# Altium PCB PCB1_Bak.PcbDoc (part 4 of 5) (continued)
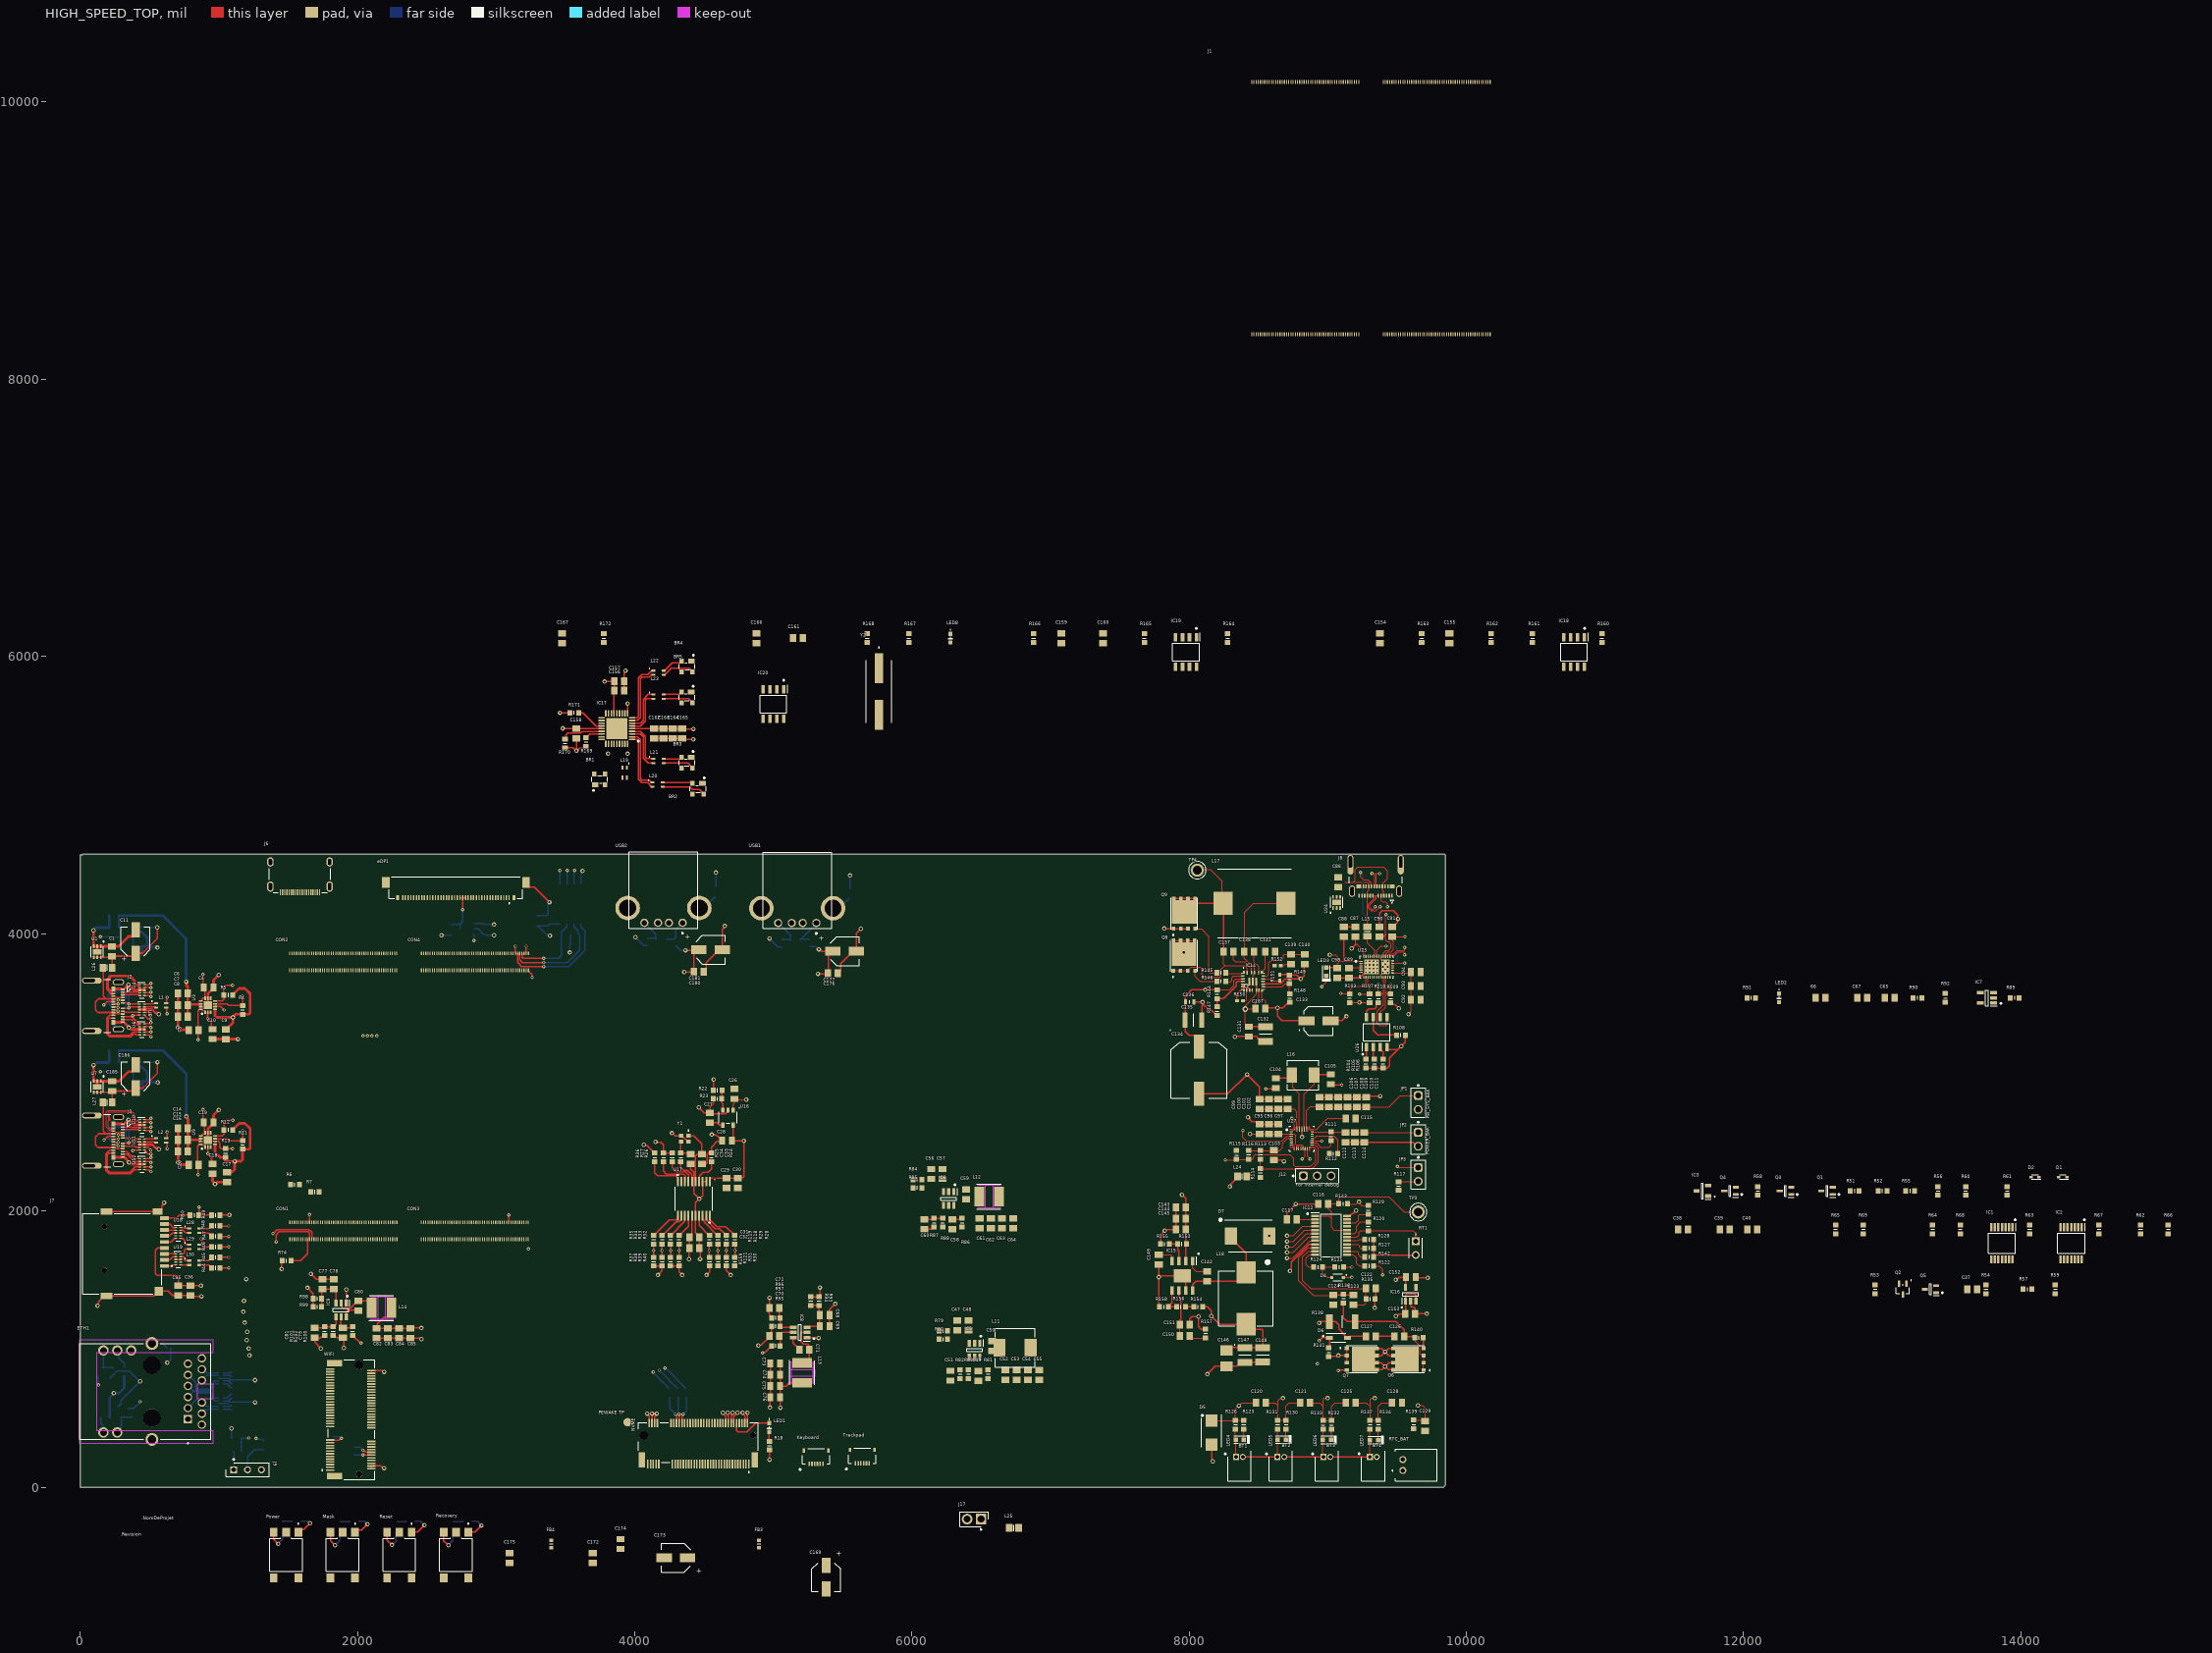
[diagram p0: HIGH_SPEED_TOP view]
## Nets (pads, with @x,y where several pads share a name; then routed paths per layer and width w, separated by ;. In a path a pad name is that pad's centre, name@x,y a point inside that pad or via, vN(x,y) a via of type N, cw(c..) or ccw(c..) an arc to the next point about the centre after c; other vN are vias at no path point) (continued)
  HIGH_SPEED_BOT w10: v2@4178.53,849 R20.2@4310.03,717.5
  other v2: 4177,849
GPIO4_B5/PCIE30X4_WAKEn_M1_L: CON3.67 R21.2 | length 164.1
  HIGH_SPEED_BOT w10: v2@4134,833.53 R21.2@4250.03,717.5
  other v2: 4134,837
GPIO4_B6/PCIE30X4_PERSTn_M1_L: CON3.69 R19.2 | length 203.4
  HIGH_SPEED_BOT w10: v2@4227.21,861.32 R19.2@4371.03,717.5
  other v2: 4217,864
GPIO4_C3: CON1.28 R43.2
GPIO4_C4/MIPI_CAM1_RESET_L: CON1.30 WIFI.56
HDMI0_TX0_N: CON4.47 L9.3
HDMI0_TX0_P: CON4.45 L9.4
HDMI0_TX1_N: CON4.41 L8.3
HDMI0_TX1_P: CON4.39 L8.4
HDMI0_TX2_N: CON4.35 L7.3
HDMI0_TX2_P: CON4.33 L7.4
HDMI0_TX3_N: CON4.53 L10.3
HDMI0_TX3_P: CON4.51 L10.4
HDMI0_TX_ON_H: CON4.69 IC1.1 IC1.4 IC1.10 IC1.13 IC2.1 IC2.4 IC2.10 IC2.13
HDMI0_TX_SBD_N: CON4.59 J6.19 R54.1 U21.5 U21.6
HDMI0_TX_SBD_P: CON4.57 J6.17 U21.4 U21.7
HDMI1_TX0_N: CON4.17 eDP1.29
HDMI1_TX0_P: CON4.15 eDP1.28
HDMI1_TX1_N: CON4.11 eDP1.32
HDMI1_TX1_P: CON4.9 eDP1.31
HDMI1_TX2_N: CON4.5 eDP1.35
HDMI1_TX2_P: CON4.3 eDP1.34
HDMI1_TX3_N: CON4.23 eDP1.38
HDMI1_TX3_P: CON4.21 eDP1.37
HDMI1_TX_SBD_N: CON4.29 eDP1.25
HDMI1_TX_SBD_P: CON4.27 eDP1.26
HDMITX0_CEC_M0: CON4.67 Q3.2 R60.1
HDMITX0_HPDIN_M0: CON3.95 Q4.3 R51.1
HDMITX0_SCL_M0: CON4.63 Q1.2 R55.1
HDMITX0_SDA_M0: CON4.65 R57.1
I2C6_SCL_M0: CON3.96 R4.2 U3.6 | length 274.2
  HIGH_SPEED_TOP w10: U3.6@972.95,3494.15 985.56,3494.15 985.9,3494.49 ; U3.6@985.72,3494.15 1058.85,3494.15 1072.39,3480.61 R4.2@1170.91,3480.61 1170.91,3549.54 v2(1169.9,3550.54)
I2C6_SDA_M0: CON3.98 R5.2 U3.7 | length 226.1
  HIGH_SPEED_TOP w10: U3.7@971.14,3513.83 1022.83,3513.83 1036,3527 1036,3556.5 1035.5,3557 1035.5,3613.5 1049,3627 v2@1099,3627
  other v2: 1098.9,3626.54
I2C7_SCL_M0: CON2.7 R11.2 U9.6 | length 275.8
  HIGH_SPEED_TOP w10: U9.6@972.14,2520.15 1059.85,2520.15 1069,2511 1069,2510.86 1074.86,2505 1168.5,2505 R11.2@1171,2507.5 v2(1171,2577)
I2C7_SDA_M0: CON2.5 R12.2 U9.7 | length 226.1
  HIGH_SPEED_TOP w10: U9.7@972.14,2539.83 1023.84,2539.83 1037,2553 1037,2582.5 R12.2@1036.5,2583 1036.5,2639.5 1050,2653 v2(1100,2653)
I2C_SCL: J12.1 R109.2 U25.17 U26.6 U27.14 | length 2378.4
  HIGH_SPEED_TOP w7.87: v2(8815.45,2372.68) 8836.07,2393.31 U27.14@8836.07,2446.88 ; U26.6@9378.45,3395.46 9378.45,3430.68 9416.65,3468.89 9416.65,3576.31 ; U25.17@9416.65,3685.5 9416.65,3576.31 ; v2(9453.45,3632.68) 9453.45,3564.59 R109.2@9452.66,3563.8 9452.16,3564.3 9428.66,3564.3 9416.65,3576.31
  LOW_SPEED w7.87: v2(8815.45,2372.68) 8818.26,2369.87 8818.26,2348.87 ; J12.1@8823.45,2251.68 8818.26,2256.87 8818.26,2348.87 ; v2(9453.45,3632.68) 9453.45,2652.68 9132.71,2331.95 8835.19,2331.95 8818.26,2348.87
I2C_SDA: J12.2 R110.2 U25.16 U26.5 U27.15 | length 2670.8
  HIGH_SPEED_TOP w7.87: U27.15@8851.82,2446.88 8851.82,2393.32 v2(8872.45,2372.68) ; v2(9363.45,3632.68) 9363.45,3565.01 R110.2@9364.66,3563.8 9365.17,3564.3 9390.66,3564.3 9398.66,3572.3 9400.9,3574.54 ; U25.16@9400.9,3685.5 9400.9,3574.54 ; U26.5@9428.45,3395.46 9428.45,3343.68 9420.45,3335.68 9374.45,3335.68 9356.45,3353.68 9356.45,3440.68 9401,3485.24 9401,3569.96 9400.9,3570.06 9400.9,3574.54
  LOW_SPEED w7.87: J12.2@8923.45,2251.68 8923.45,2238.68 8886.45,2201.68 8767.45,2201.68 8744.45,2224.68 8744.45,2384.68 8768.45,2408.68 8836.45,2408.68 v2(8872.45,2372.68) 8872.45,2815.68 9363.45,3306.68 v2(9363.45,3632.68)
IC5_EN: C49.2 IC5.5 R81.2
IC5_SW: C50.2 IC5.2 L11.2
IC5_VBST: C50.1 IC5.6
IC5_VFB: C51.1 IC5.4 R82.1 R83.2
IC5_VIN: C47.2 C48.2 IC5.3 R79.2 R80.2
IC6_EN: C58.2 IC6.5 R86.2 | length 73.3
  HIGH_SPEED_TOP w10: C58.2@6291.82,1936.97 6353.76,1936.97 R86.2@6361.82,1945.03
IC6_SW: C59.2 IC6.2 L12.2
IC6_VBST: C59.1 IC6.6
IC6_VFB: C60.1 IC6.4 R87.1 R88.2 | length 134.9
  HIGH_SPEED_TOP w10: C60.1@6088.82,1937.97 6152.76,1937.97 R87.1@6159.82,1945.03 R88.2@6220.82,1945.03
IC6_VIN: C56.2 C57.2 IC6.3 R84.2 R85.2
IC7_BP: 66.2 IC7.4
IC7_EN: IC7.3 R90.1 R91.2
IC8+VBST: C71.1 IC8.6 | length 105.7
  HIGH_SPEED_TOP w10: IC8.6@5143.07,1084.8 5143.07,1046.89 5186.85,1003.11 C71.1@5186.85,997.2
IC8_EN: C70.2 IC8.5 R95.2 | length 189.3
  HIGH_SPEED_TOP w10: R95.2@5049.78,1025.2 5049.78,1087.14 C70.2@5041.72,1095.2 5041.72,1101.11 5062.81,1122.2 IC8.5@5143.07,1122.2
IC8_SW: C71.2 IC8.2 L13.2 | length 333.6
  HIGH_SPEED_TOP w10: L13.2@5208.28,902.06 5227.72,902.06 5257.72,932.06 C71.2@5257.72,997.2 5256.85,998.07 5256.85,1028.2 5246.85,1038.2 5216.85,1038.2 5196.85,1058.2 5196.85,1112.2 5206.85,1122.2 IC8.2@5241.5,1122.2
IC8_VFB: C72.1 IC8.4 R96.1 R97.2 | length 231
  HIGH_SPEED_TOP w10: C72.1@5042.72,1298.2 5042.72,1234.27 R96.1@5049.78,1227.2 R97.2@5049.78,1166.2 5056.38,1159.61 IC8.4@5143.07,1159.61
IC8_VIN: C68.2 C69.2 IC8.3 R93.2 R94.2 | length 304.8
  HIGH_SPEED_TOP w10: IC8.3@5241.5,1159.61 5254.29,1159.61 5261.78,1167.1 C69.2@5334.92,1167.1 C68.2@5334.92,1247.1 ; R94.2@5269.85,1316.71 R93.2@5329.85,1316.71 5329.85,1252.17 C68.2@5332.47,1249.55
IC9_EN: C79.2 IC9.5 R100.2 | length 159.1
  HIGH_SPEED_TOP w10: IC9.5@1881.63,1235.12 1881.63,1167.76 C79.2@1894.63,1154.76 1956.57,1154.76 R100.2@1964.63,1162.83
IC9_SW: C80.2 IC9.2 L14.2 | length 302.2
  HIGH_SPEED_TOP w10: IC9.2@1881.63,1333.54 1888.44,1326.73 1888.44,1303.76 1894.3,1297.9 1949.63,1297.9 1966.36,1314.63 1966.36,1315.4 2000.73,1349.76 C80.2@2006.63,1349.76 2071.78,1349.76 2101.78,1319.76 L14.2@2101.78,1300.33
IC9_VBST: C80.1 C81.1 IC9.4 IC9.6 R101.1 R102.2 | length 347.1
  HIGH_SPEED_TOP w10: C81.1@1691.63,1155.76 1755.57,1155.76 R101.1@1762.63,1162.83 R102.2@1823.63,1162.83 1825.6,1162.83 1844.23,1181.46 IC9.4@1844.23,1235.12 ; IC9.6@1919.03,1235.12 1919.03,1271.3 1930.63,1282.9 2002.63,1282.9 C80.1@2006.63,1278.9
IC9_VIN: C77.2 C78.2 IC9.3 R98.2 R99.2 | length 317.1
  HIGH_SPEED_TOP w10: R99.2@1742.13,1305.9 R98.2@1742.13,1365.9 1742.13,1429.1 C77.2@1746.42,1433.39 ; C77.2@1747.63,1434.46 C78.2@1827.63,1434.46 1844.23,1417.87 IC9.3@1844.23,1333.54
IC12_AVVD: C117.1 IC12.2 | length 132
  HIGH_SPEED_TOP w7.87: C117.1@8775.88,1937.68 8776.04,1937.84 IC12.2@8907.78,1937.84
IC12_VDD: C116.1 IC12.1 IC12.20 R143.1 TP3.TP | length 1164.1
  HIGH_SPEED_TOP w7.87: IC12.1@8907.78,1963.43 9005.7,1963.43 9025.45,1943.68 ; R143.1@9078.7,2048.43 9077.45,2049.68 C116.1@9001.88,2049.68 9003.19,2048.38 9003.19,2013.94 9025.45,1991.68 9025.45,1943.68 ; R143.1@9079.95,2049.68 9079.95,2086.19 9093.45,2099.68 9440.45,2099.68 9549.45,1990.68 TP3.TP@9652.45,1990.68 ; IC12.20@9139.12,1861.07 9044.06,1861.07 9025.45,1879.68 9025.45,1943.68
IC15_BOOT: C142.1 IC15.1 | length 164.4
  HIGH_SPEED_TOP w7.87: IC15.1@8025.45,1638.46 8025.45,1588.68 8051.02,1563.12 C142.1@8129.45,1563.12
IC15_COMP: C150.2 C151.2 IC15.6 | length 338.3
  HIGH_SPEED_TOP w7.87: C150.2@7933.02,1096.68 C151.2@7933.02,1176.68 7934.45,1178.12 7934.45,1209.68
  HIGH_SPEED_TOP w10: IC15.6@7925.45,1424.91 7925.45,1379.68 7941.45,1363.68 7941.45,1216.68 7934.45,1209.68
IC15_EN: IC15.3 R153.1 R155.2 | length 187.2
  HIGH_SPEED_TOP w10: R155.2@7855.94,1759.68 7915.95,1759.68 R153.1@7916.95,1760.68 7916.95,1715.18 7925.45,1706.68 IC15.3@7925.45,1638.46
IC15_PH: C142.2 D7.1 IC15.8 L18.1 | length 777.8
  HIGH_SPEED_TOP w10: IC15.8@8025.45,1424.91 8025.45,1466.68 8051.02,1492.25 C142.2@8129.45,1492.25 8358.82,1492.25 8409.45,1542.88 L18.1@8409.45,1554.69 8409.45,1694.16 8301.65,1801.95 D7.1@8301.65,1818.68
IC15_SS: C149.2 IC15.4 | length 137.5
  HIGH_SPEED_TOP w7.87: C149.2@7780.5,1683.12 7781.07,1683.68 7870.45,1683.68 7875.45,1678.68 IC15.4@7875.45,1638.46
IC15_VSENSE: IC15.5 R156.1 R158.2 | length 188.8
  HIGH_SPEED_TOP w10: IC15.5@7875.45,1424.91 7875.45,1334.16 7849.94,1308.65 R158.2@7849.94,1306.68 R156.1@7909.95,1306.68
IC17_HS_IND: IC17.25 R169.1 | length 122.6
  HIGH_SPEED_TOP w10: R169.1@3648,5413.5 3649.97,5413.5 3676.1,5439.63 IC17.25@3759.76,5439.63
IC17_LED: LED8.2 R165.1
IC17_RESET: C166.1 IC17.26 R167.2
IC17_SCL: IC17.24 R170.1 | length 299.1
  HIGH_SPEED_TOP w10: R170.1@3497,5403.5 3501.35,5407.85 3501.35,5430.35 3517.8,5446.8 3610.27,5446.8 3622.79,5459.32 IC17.24@3759.76,5459.32
IC17_SDA: IC17.22 R171.1 | length 203.6
  HIGH_SPEED_TOP w10: R171.1@3595.5,5593.66 3626.34,5593.66 3721.31,5498.69 IC17.22@3759.76,5498.69
IC17_SUSP_IND: IC17.28 R165.2 R166.1
IC17_VBUS: C155.1 IC17.27 R160.2 R163.1
IC17_XIN: C161.2 IC17.33 R172.2 Y2.1
IC17_XOUT: C167.2 IC17.32 R172.1 Y2.2
IC18_CTL: IC18.1 R161.2 R162.2
ILIM: IC14.17 R151.2 | length 127.2
  HIGH_SPEED_TOP w7.87: IC14.17@8532.2,3674.37 8588.76,3674.37 8603.1,3660.03 R151.2@8653.45,3660.03
ILIM_HIZ: R113.1 R114.2 U27.17 | length 662.2
  HIGH_SPEED_TOP w7.87: R113.1@8513.45,2372.19 R114.2@8513.45,2304.18 8513.94,2303.68 8885.45,2303.68 8931.45,2349.68 8931.45,2450.64 8907.65,2474.44 U27.17@8885.28,2474.44
IREF: R36.2 U17.10 | length 289.1
  HIGH_SPEED_TOP w10: R36.2@4144,2353.5 4143,2352.5 4143,2276 4166,2253 4294.34,2253 4310.84,2236.5 U17.10@4310.84,2209.5
Keyboard_gnd: C170.2 FB2.2 Keyboard.1
Keyboard_MP: C171.1 Keyboard.MP1 Keyboard.MP2
Keyboard_vbus: C170.1 FB1.2 Keyboard.6
LD: IC12.14 R142.1 | length 154.1
  HIGH_SPEED_TOP w7.87: IC12.14@9139.12,1707.53 9212.61,1707.53 9220.45,1699.69 9220.45,1683.69 9237.45,1666.68 R142.1@9266.95,1666.68
LDO_1V5: C89.2 U25.2 U25.3 U25.4 | length 119.5
  HIGH_SPEED_TOP w7.87: C89.2@9153.59,3753.73 9230.31,3753.73 9231.61,3752.43 U25.4@9238.71,3752.43 ; U25.4@9239.49,3752.43 U25.4@9238.71,3752.43 ; U25.3@9239.49,3768.18 U25.3@9238.71,3768.18 ; U25.2@9239.49,3783.92 9238.71,3783.92 U25.3@9238.71,3768.18 ; U25.4@9238.71,3752.43 U25.3@9238.71,3768.18
LDO_3V3: C88.2 C98.2 LED3.1 R109.1 R110.1 U25.1 U26.8 | length 1473
  HIGH_SPEED_TOP w7.87: v1(9014.45,3846.68) 9055.45,3846.68 9085.96,3816.17 9085.96,3799.67 ; C98.2@9068.59,3750.73 9068.59,3782.3 9085.96,3799.67 ; U25.1@9239.49,3799.67 9128.43,3799.67 9085.96,3799.67
  HIGH_SPEED_TOP w10: LED3.1@8989.45,3754.21 9065.11,3754.21 C98.2@9068.59,3750.73 ; C88.2@9115.45,3977.25 9115.45,3812.66 9128.43,3799.67 ; U26.8@9278.45,3395.46 9278.45,3439.68 9296.45,3457.68 9338.45,3457.68 9349.98,3469.21 9349.98,3488.09 9362.69,3500.8 R110.1@9364.66,3500.8 ; R109.1@9452.66,3500.8 9465.38,3488.09 9484.05,3488.09 v1(9511.45,3460.68)
  SIGNAL w10: v1(9014.45,3846.68) 9055.45,3846.68 9441.45,3460.68 v1(9511.45,3460.68)
LED2_25GLAN_1GLED: CON1.74 R16.1 | length 107.7
  HIGH_SPEED_BOT w10: 345,574.5 385.5,574.5 v2(433,622)
LED3_25GLAN_25GLED: CON1.72 R17.1 | length 64.5
  HIGH_SPEED_BOT w10: v2(132,743) 132,807.5
LED+: ETH1.16 R15.1 | length 144
  HIGH_SPEED_BOT w10: ETH1.16@267,992 275.5,983.5 275.5,939.5 319,896 R15.1@319,869.5
LED_3V3: LED2.2 R92.1
LEDGREEN-: C24.2 ETH1.17 R17.2 | length 205.9
  HIGH_SPEED_BOT w10: ETH1.17@167,992 167,875.49 R17.2@161,869.5 231.94,869.5 C24.2@239,862.43
LEDYellow+: ETH1.14 R14.1 | length 119.2
  HIGH_SPEED_BOT w10: R14.1@149.5,512 149.5,464.5 167,447 ETH1.14@167,400
LEDYellow-: C23.2 ETH1.13 R16.2 | length 205.9
  HIGH_SPEED_BOT w10: ETH1.13@267,400 267,411.47 298.39,442.86 C23.2@298.39,515.32 303.21,510.5 R16.2@374,510.5
LPWR: IC12.15
MASK: Mask.1 R72.2 | length 188.8
  HIGH_SPEED_TOP w10: Mask.1@1981.82,-318.52 1997.47,-302.87 2030.57,-302.87 v1(2072.57,-260.87)
  HIGH_SPEED_BOT w10: R72.2@2007.07,-239.87 2049.73,-239.87 2070.73,-260.87 v1(2072.57,-260.87)
NetBT1_1: BT1.1 LED4.1 R126.1 | length 202.7
  HIGH_SPEED_TOP w7.87: R126.1@8334.45,425.19 8334.45,349.63 LED4.1@8335.39,348.68 8335.39,225.74 BT1.1@8337.45,223.68
NetBT1_2: BT1.2 BT2.1 LED5.1 R131.1 | length 451.7
  HIGH_SPEED_TOP w7.87: BT2.1@8636.45,223.68 8636.45,347.86 LED5.1@8637.34,348.75 8637.45,348.86 R131.1@8637.45,425.19
  HIGH_SPEED_TOP w10: BT1.2@8386.66,223.68 BT2.1@8636.45,223.68
NetBT2_2: BT2.2 BT3.1 LED6.1 R133.1 | length 484.5
  HIGH_SPEED_TOP w7.87: R133.1@8965.45,423.19 8965.45,348.21 LED6.1@8963.92,346.68 8963.92,228 BT3.1@8968.24,223.68
  HIGH_SPEED_TOP w10: BT2.2@8685.66,223.68 BT3.1@8968.24,223.68
NetBT3_2: BT3.2 BT4.1 LED7.1 R137.1 | length 487.9
  HIGH_SPEED_TOP w7.87: BT4.1@9303.45,223.68 9303.92,224.16 LED7.1@9303.92,345.68 9304.45,346.21 R137.1@9304.45,425.19
  HIGH_SPEED_TOP w10: BT3.2@9017.45,223.68 BT4.1@9303.45,223.68
NetC65_2: C65.2 IC7.1 R89.2 R90.2
NetC104_1: C104.1 U27.4 | length 912.8
  HIGH_SPEED_TOP w7.87: v2(8387.45,2578.68) 8387.45,2529.68 8411.45,2505.68 8669.45,2505.68 8701.2,2537.43 U27.4@8737.65,2537.43 ; C104.1@8623.88,2884.68 C104.1@8624.45,2885.25
  HIGH_SPEED_TOP w10: v2(8551.45,2880.68) 8619.88,2880.68 C104.1@8623.88,2884.68
  LOW_SPEED w7.87: v2(8387.45,2578.68) 8387.45,2794.68 8473.45,2880.68 v2(8551.45,2880.68)
NetC104_2: C104.2 L16.1 U27.28 | length 536.9
  HIGH_SPEED_TOP w7.87: L16.1@8741.23,2977.68 8746.57,2972.35 8746.57,2891.56 8794.73,2843.4 U27.28@8794.73,2588.61
  HIGH_SPEED_TOP w10: C104.2@8624.45,2956.12 8719.67,2956.12 L16.1@8741.23,2977.68
NetC105_1: C105.1 U27.19 | length 670
  HIGH_SPEED_TOP w7.87: U27.19@8885.68,2505.94 8948.83,2505.94 8952.09,2502.68 v2(8956.45,2502.68)
  HIGH_SPEED_TOP w10: C105.1@9022.45,2913.25 9028.02,2907.68 v2(9099.45,2907.68)
  LOW_SPEED w7.87: v2(8956.45,2502.68) 8985.66,2502.68 9144.45,2661.48 9144.45,2862.68 v2(9099.45,2907.68)
NetC105_2: C105.2 L16.2 U27.26 | length 542.1
  HIGH_SPEED_TOP w7.87: U27.26@8830.17,2588.61 8830.17,2842.4 8901.67,2913.9 L16.2@8901.67,2977.68
  HIGH_SPEED_TOP w10: L16.2@8901.67,2977.68 8908.1,2984.12 C105.2@9022.45,2984.12
NetC115_2: C115.2 U27.24 | length 296.6
  HIGH_SPEED_TOP w7.87: U27.24@8866.83,2585.91 8916.67,2585.91 8997.45,2666.68 C115.2@9130.02,2666.68
NetC126_1: C126.1 Q6.1 Q6.2 Q6.3 R136.1 R138.1 R140.2 | length 977.8
  HIGH_SPEED_TOP w7.87: R140.2@9625.95,1083.68 9632.35,1077.28 9632.35,1054.78 9664.35,1022.78 9664.35,967.68 9668.97,963.07 9683.39,963.07 Q6.3@9690.59,955.87 ; Q6.1@9690.59,851.14 Q6.2@9690.59,903.32 9691.5,904.23 9691.5,954.78 Q6.3@9690.59,955.68
  HIGH_SPEED_TOP w10: R136.1@9113.45,1335.19 9113.45,1226.68 9140.45,1199.68 R138.1@9196.45,1199.68 9492.45,1199.68 9550.79,1141.35 9550.79,1094.59 C126.1@9549.88,1093.68 9550.79,1092.78 9616.86,1092.78 R140.2@9625.95,1083.68
NetC126_2: C126.2 C127.1 | length 132.1
  HIGH_SPEED_TOP w10: C127.1@9346.88,1093.68 C126.2@9479.02,1093.68
NetC137_2: C137.2 IC14.23 L17.1 Q8.1 Q8.2 Q8.3 Q9.5 Q9.6 Q9.7 Q9.8 Q9.9 TP4.TP | length 1982.2
  HIGH_SPEED_TOP w7.87: Q8.1@7884.72,3731.68 Q8.2@7937.09,3731.68 Q8.3@7989.45,3731.68 ; Q8.3@7989.45,3733.16 8012.97,3756.68 8077.45,3756.68 8091.45,3742.68 8091.45,3704.68 8107.45,3688.68 8224.45,3688.68 8231.45,3695.68 8231.45,3743.68 8257.45,3769.68 ; TP4.TP@8058.45,4457.68 8064.45,4463.68 8151.45,4463.68 8236.07,4379.06 L17.1@8236.07,4218.68 ; C137.2@8247.02,3869.68 8247.02,3780.12 8257.45,3769.68 ; IC14.23@8418.5,3718.19 8418.5,3749.63 8398.45,3769.68 8257.45,3769.68
  HIGH_SPEED_TOP w10: Q9.8@7888.6,4253.72 Q9.7@7939.98,4253.72 Q9.6@7990.92,4253.72 Q9.5@8042.3,4253.72 ; Q9.9@7965.45,4156.28 8026.85,4217.68 L17.1@8244.07,4217.68 8247.02,4214.74 C137.2@8247.02,3869.68
NetC139_1: C139.1 R152.2 | length 80.1
  HIGH_SPEED_TOP w7.87: R152.2@8660.1,3769.68 8683.45,3769.68 8694.45,3780.68 8735.02,3780.68 C139.1@8735.45,3780.25
NetC150_1: C150.1 R157.2 | length 118.1
  HIGH_SPEED_TOP w7.87: C150.1@8003.88,1081.68 8109.94,1081.68 R157.2@8118.45,1090.19
NetCON1_1: CON1.1 CON1.2 CON1.3 CON1.4 CON1.5 CON1.6 CON1.7 CON1.8 CON1.9 CON1.10 R6.1 R7.1
NetD1_1: D1.1 R56.2 R59.2
NetD2_1: D2.1 R61.2
NetFB9_2: FB9.2 J2.SH1 J2.SH2 J2.SH3 J2.SH4 | length 68.5
  HIGH_SPEED_BOT w19.68: FB9.2@242.43,3370 242.43,3331.08 J2.SH2@263.37,3310.13
NetFB10_2: FB10.2 J3.SH1 J3.SH2 J3.SH3 J3.SH4 | length 85.2
  HIGH_SPEED_BOT w19.68: 195.9,2688.1 207.71,2676.29 ; FB10.2@243.43,2396 243.43,2357.08 J3.SH2@264.37,2336.13
NetIC1_2: IC1.2 R62.1
NetIC1_5: IC1.5 R63.1
NetIC1_9: IC1.9 R64.1
NetIC1_12: IC1.12 R65.1
NetIC2_2: IC2.2 R66.1
NetIC2_5: IC2.5 R67.1
NetIC2_9: IC2.9 R68.1
NetIC2_12: IC2.12 R69.1
NetIC14_8: IC14.8 R150.2 | length 98.3
  HIGH_SPEED_TOP w7.87: R150.2@8387.83,3515.19 8390.33,3517.68 8410.45,3517.68 8415.55,3522.79 IC14.8@8415.55,3590.24
NetIC17_35: IC17.35 R168.1
NetJP3_2: JP3.2 R117.2 | length 142.6
  HIGH_SPEED_TOP w7.87: R117.2@9510.45,2210.18 9511.95,2211.69 JP3.2@9652.45,2211.69
NetLED1_2: LED1.2 R18.1 | length 68.3
  HIGH_SPEED_TOP w10: LED1.2@4970,404.5 4970,339 R18.1@4972,337
NetLED4_2: LED4.2 R123.1 | length 76.9
  HIGH_SPEED_TOP w7.87: R123.1@8393.45,425.19 8393.45,349.68 LED4.2@8394.45,348.68
NetLED5_2: LED5.2 R130.1 | length 77.3
  HIGH_SPEED_TOP w7.87: LED5.2@8696.39,348.75 8698.45,350.81 R130.1@8698.45,425.19
NetLED6_2: LED6.2 R132.1 | length 77.9
  HIGH_SPEED_TOP w7.87: LED6.2@9022.98,346.68 9026.45,350.16 R132.1@9026.45,423.19
NetLED7_2: LED7.2 R134.1 | length 80.1
  HIGH_SPEED_TOP w7.87: LED7.2@9362.98,345.68 9364.45,347.16 R134.1@9364.45,425.19
NetQ2_1: Q2.1 R58.2
NetQ4_1: Q4.1 Q5.3 R52.1
NetQ5_1: Q5.1 R53.2 R54.2
NetQ8_4: Q8.4 R146.2 | length 212.8
  HIGH_SPEED_TOP w7.87: Q8.4@8041.81,3731.68 8041.81,3691.32 8076.94,3656.19 R146.2@8199.68,3656.19
NetQ9_4: Q9.4 R145.2 | length 436.8
  HIGH_SPEED_TOP w7.87: Q9.4@8043.99,4035.14 8086.99,4035.14 8143.45,3978.68 8143.45,3723.68 8149.94,3717.19 R145.2@8199.68,3717.19
NetR6_2: R6.2 R7.2
NetR57_2: R57.2 R58.1
NetR104_2: R104.2 U26.1 | length 91.2
  HIGH_SPEED_TOP w10: R104.2@9273.71,3092.73 9278.45,3097.47 U26.1@9278.45,3181.91
NetR105_2: R105.2 U26.2 | length 92.2
  HIGH_SPEED_TOP w10: U26.2@9328.45,3181.91 9328.45,3099.91 R105.2@9335.63,3092.73
NetR106_2: R106.2 U26.3 | length 97.1
  HIGH_SPEED_TOP w10: U26.3@9378.45,3181.91 9378.45,3164.69 9397.45,3145.69 R106.2@9397.45,3092.68
NetR108_2: R108.2 U26.7 | length 276.4
  HIGH_SPEED_TOP w10: U26.7@9328.45,3395.46 9328.45,3300.68 9358.45,3270.68 9491.95,3270.68 R108.2@9495.95,3266.68
NetR111_2: R111.2 U27.18 | length 188.6
  HIGH_SPEED_TOP w7.87: U27.18@8886.27,2490.19 8918.94,2490.19 8950.45,2458.68 9009.45,2458.68 9022.45,2471.68 R111.2@9022.45,2505.69
NetR154_1: R154.1 R156.2 | length 61
  HIGH_SPEED_TOP w10: R156.2@7972.94,1306.68 R154.1@8033.95,1306.68
NetU18_4: U18.4 U18.7
NetU19_4: U19.4 U19.7
NetU25_15: U25.15 U25.30 U25.40 | length 79.9
  HIGH_SPEED_TOP w7.87: U25.15@9385.16,3685.5 9385.16,3708.33 9396.97,3720.14 v3(9397.36,3720.14) ; U25.30@9385.16,3835.1 9385.16,3812.27 9396.97,3800.46 v3(9397.36,3800.46)
  other v3: 9432.79,3720.14 9415.08,3740.22 9397.36,3760.3 9432.79,3760.3 9415.08,3780.38 9432.79,3800.46
NVME_LED: LED1.1 NVME.10 | length 321.5
  HIGH_SPEED_TOP w10: NVME.10@4734.32,469.24 4733.42,468.34 4733.42,425.7 4733,425.28 4733,417 4746,404 4809,404 4872.5,467.5 LED1.1@4970,467.5
NVME_REFCLK_A_N: NVME.53 R29.2 R31.1 | length 95.3
  HIGH_SPEED_TOP w10: R31.1@4661,1665 4661.33,1665.33 v2(4661.33,1713) 4661.33,1759.67 R29.2@4661,1760.01
NVME_REFCLK_A_P: NVME.55 R28.2 R30.1 | length 96.3
  HIGH_SPEED_TOP w10: R30.1@4722,1664.5 4723,1665.5 v2(4723,1713) 4723,1759.01 R28.2@4722,1760.01
OCDP: IC12.17 R128.2 | length 131.3
  HIGH_SPEED_TOP w7.87: IC12.17@9139.12,1784.3 9220.06,1784.3 9228.45,1792.68 R128.2@9266.95,1792.68
OCS_N1: IC17.13 IC18.2 IC19.2
OCS_N2: IC17.17 IC19.3
OCS_N3: IC17.19 IC20.2
OCS_N4: IC17.21 IC20.3
OE: R27.1 U17.8 | length 279.9
  HIGH_SPEED_TOP w10: R27.1@4208,2353.5 4208,2287 4230,2265 4353,2265 4362.02,2255.98 U17.8@4362.02,2209.5
P3V3: C87.2 C152.2 IC16.5 R103.2 R107.2 U25.38 | length 514.6
  HIGH_SPEED_TOP w7.87: R103.2@9157.59,3503.3 v1(9227.59,3503.3) 9299.09,3503.3 R107.2@9301.59,3500.8 ; C87.2@9201.45,3973.37 9201.45,3930.68 9259.45,3872.68 9259.45,3859 9259.17,3858.73 U25.38@9259.17,3835.1
  HIGH_SPEED_TOP w10: v1(9171.45,3892.68) 9201.45,3922.69 9201.45,3930.68 ; v1(9489.45,1501.68) 9494.89,1501.68 9514.09,1520.89 C152.2@9563.22,1520.89 9560.25,1517.92 IC16.5@9560.25,1447.1
P25G_MDI0_N: CON1.80 L3.2
P25G_MDI0_O_N: ETH1.10 L3.3 U14.2 U14.9 | length 199.2
  HIGH_SPEED_BOT w10: ETH1.10@877,776 911.69,810.69 U14.9@997.27,810.69 ; U14.2@1030.73,810.69 1079.26,810.69 1085.69,804.25 L3.3@1092.58,804.25
P25G_MDI0_O_P: ETH1.11 L3.4 U14.1 U14.10 | length 195
  HIGH_SPEED_BOT w10: ETH1.11@877,856 889.54,856 915.18,830.37 U14.10@997.27,830.37 ; U14.1@1030.73,830.37 1080.32,830.37 1085.69,835.75 L3.4@1092.58,835.75
P25G_MDI0_P: CON1.78 L3.1
P25G_MDI1_N: CON1.86 L4.1
P25G_MDI1_O_N: ETH1.5 L4.4 U14.4 U14.7 | length 393.2
  HIGH_SPEED_BOT w10: ETH1.5@777,816 831,762 831,719.86 836.86,714 938,714 946,722 946,745.87 971.44,771.32 U14.7@997.27,771.32 ; U14.4@1030.73,771.32 1070.13,771.32 1085.69,755.75 L4.4@1092.58,755.75
  other v1: 1196,1507
P25G_MDI1_O_P: ETH1.4 L4.3 U14.5 U14.6 | length 340.4
  HIGH_SPEED_BOT w10: ETH1.4@777,736 809,704 938,704 956,722 956,745.77 961.86,751.63 U14.6@997.27,751.63 ; U14.5@1030.73,751.63 1058.32,751.63 1085.69,724.25 L4.3@1092.58,724.25
  other v1: 1181,1349
P25G_MDI1_P: CON1.84 L4.2
P25G_MDI2_N: CON1.92 L5.2
P25G_MDI2_O_N: ETH1.2 L5.3 U15.2 U15.9 | length 394.7
  HIGH_SPEED_BOT w10: ETH1.2@777,576 838,637 838,678.14 843.86,684 939,684 951,672 951,648.44 971.44,628 U15.9@997.27,628 ; U15.2@1030.73,628 1069.44,628 1085.69,644.25 L5.3@1092.58,644.25
  other v1: 1186,1193
P25G_MDI2_O_P: ETH1.3 L5.4 U15.1 U15.10 | length 339.5
  HIGH_SPEED_BOT w10: ETH1.3@777,656 815,694 939,694 956,677 961,672 961,653.54 966.86,647.68 U15.10@997.27,647.68 ; U15.1@1030.73,647.68 1057.63,647.68 1085.69,675.75 L5.4@1092.58,675.75
  other v1: 1176,1271
P25G_MDI2_P: CON1.90 L5.1
P25G_MDI3_N: CON1.98 L6.1
P25G_MDI3_O_N: ETH1.9 L6.4 U15.4 U15.7 | length 196.4
  HIGH_SPEED_BOT w10: ETH1.9@877,616 886.06,616 913.44,588.63 U15.7@997.27,588.63 ; U15.4@1030.73,588.63 1078.58,588.63 1085.69,595.75 L6.4@1092.58,595.75
P25G_MDI3_O_P: ETH1.8 L6.3 U15.5 U15.6 | length 197.7
  HIGH_SPEED_BOT w10: ETH1.8@877,536 909.94,568.94 U15.6@997.27,568.94 ; U15.5@1030.73,568.94 1081,568.94 1085.69,564.25 L6.3@1092.58,564.25
P25G_MDI3_P: CON1.96 L6.2
PACK+: C112.2 C113.2 C114.2 JP2.1 Q6.5 Q6.6 Q6.7 Q6.8 Q6.9 Q7.5 Q7.6 Q7.7 Q7.8 Q7.9 R111.1 R129.1 R143.2 U27.22 U27.23 | length 1507.7
  HIGH_SPEED_TOP w7.87: U27.22@8887.25,2553.18 U27.23@8887.25,2568.93 9022.2,2568.93 R111.1@9022.45,2568.68 9124.24,2568.68 C112.2@9129.17,2563.76 C113.2@9196.45,2563.76 C114.2@9263.73,2563.76 9265.65,2565.69 JP2.1@9652.45,2565.69 ; R143.2@9142.94,2049.68 9143.94,2048.68 9203.92,2048.68 9218.92,2063.68 v1(9225.45,2063.68) 9225.45,2057.16 9238.24,2044.36 9238.24,2042.72 9243.81,2037.15 R129.1@9291.32,2037.15
  HIGH_SPEED_TOP w10: Q7.5@9355.03,852.65 9390.42,852.65 v1(9413.45,875.68) ; Q7.6@9355.03,904.03 9385.1,904.03 v1(9413.45,875.68) ; Q7.7@9355.03,954.98 9385.74,954.98 v1(9413.45,982.68) ; Q7.8@9355.03,1006.35 9389.78,1006.35 v1(9413.45,982.68) ; Q6.8@9472.01,852.65 9436.48,852.65 v1(9413.45,875.68) ; Q6.7@9472.01,904.03 9441.8,904.03 v1(9413.45,875.68) ; Q6.6@9472.01,954.98 9441.16,954.98 v1(9413.45,982.68) ; Q6.5@9472.01,1006.35 9437.12,1006.35 v1(9413.45,982.68)
PCIE20_1_REFCLK_N: CON3.17
PCIE20_1_REFCLK_P: CON3.15
PCIE20_1_RX_N: CON3.11 WIFI.43
PCIE20_1_RX_P: CON3.9 WIFI.41
PCIE20_1_TX_N: CON3.5 WIFI.37
PCIE20_1_TX_P: CON3.3 WIFI.35
PCIE30_PORT0_IN_REFCLK_N: CON3.18 R35.2 R37.1 | length 95
  HIGH_SPEED_TOP w10: R37.1@4136.05,1664.5 R37.1@4136.05,1664.5 v2(4136,1713) R35.2@4136.05,1759.5 R35.2@4136.05,1759.5
PCIE30_PORT0_IN_REFCLK_P: CON3.16 R34.2 R38.1 | length 95.6
  HIGH_SPEED_TOP w10: R38.1@4197,1664.5 4197.67,1665.16 v2(4197.67,1713) 4197.67,1758.84 R34.2@4197,1759.5
PCIE30_PORT0_RX0_N: CON3.6 NVME.41
PCIE30_PORT0_RX0_P: CON3.4 NVME.43
PCIE30_PORT0_RX1_N: CON3.12 NVME.29
PCIE30_PORT0_RX1_P: CON3.10 NVME.31
PCIE30_PORT0_TX0_N: CON3.24 NVME.47
PCIE30_PORT0_TX0_P: CON3.22 NVME.49
PCIE30_PORT0_TX1_N: CON3.30 NVME.35
PCIE30_PORT0_TX1_P: CON3.28 NVME.37
PCIE30_PORT1_IN_REFCLK_N: CON3.60 R33.2 R39.1 | length 96.1
  HIGH_SPEED_TOP w10: R39.1@4258,1664.5 4259.33,1665.83 v2(4259.33,1713) 4259.33,1758.17 R33.2@4258,1759.5
PCIE30_PORT1_IN_REFCLK_P: CON3.58 R32.2 R40.1 | length 96.7
  HIGH_SPEED_TOP w10: R40.1@4319,1664.5 4321,1666.5 v2(4321,1713) 4321,1757.5 R32.2@4319,1759.5
PCIE30_PORT1_RX2_N: CON3.36 NVME.17
PCIE30_PORT1_RX2_P: CON3.34 NVME.19
PCIE30_PORT1_RX3_N: CON3.42 NVME.5
PCIE30_PORT1_RX3_P: CON3.40 NVME.7
PCIE30_PORT1_TX2_N: CON3.48 NVME.23
PCIE30_PORT1_TX2_P: CON3.46 NVME.25
PCIE30_PORT1_TX3_N: CON3.54 NVME.11
PCIE30_PORT1_TX3_P: CON3.52 NVME.13
PCM_IN: R42.1 WIFI.12 | length 128.6
  HIGH_SPEED_TOP w10: v2(2038.85,237.71) 2039.07,237.49 2100.88,237.49 WIFI.12@2101.09,237.28
  HIGH_SPEED_BOT w10: R42.1@1974.35,233.71 1978.35,237.71 v2(2038.85,237.71)
PCM_OUT: R43.1 WIFI.14 | length 142
  HIGH_SPEED_TOP w10: v2(2038.85,271.71) 2042.64,271.71 2056.48,257.87 2100.19,257.87 WIFI.14@2101.09,256.96
  HIGH_SPEED_BOT w10: R43.1@1974.35,293.71 2016.85,293.71 v2(2038.85,271.71)
PD: R26.1 U17.7 | length 232.1
  HIGH_SPEED_TOP w10: R26.1@4271,2353.5 4271,2310 4300,2281 4368,2281 4387.61,2261.39 U17.7@4387.61,2209.5
PERST: NVME.50 R19.1 | length 198.7
  HIGH_SPEED_TOP w10: NVME.50@4340.62,469.24 4340.62,520.83 4349,529.21 v2(4349,533)
  HIGH_SPEED_BOT w10: v2(4349,533) 4373,557 R19.1@4373,654.5
PEWAKE: "pad.Pewake TP" NVME.54 R21.1 | length 205.7
  HIGH_SPEED_TOP w10: v2(4294,533) 4294,529.21 4301.25,521.96 NVME.54@4301.25,469.24
  HIGH_SPEED_BOT w10: R21.1@4252,654.5 4252,575 v2(4294,533)
PLL: C160.1 IC17.34
PMIC_EXT_EN_OUT: CON1.19 R81.1 R86.1 R95.1 R100.1 | length 2244
  HIGH_SPEED_TOP w10: CON1.19@1654.06,1916.67 v2(1654,1972) ; R100.1@1964.63,1099.83 1966.6,1099.83 2017.86,1048.58 2021.95,1048.58 v2(2024.63,1045.9) ; v2(4922.85,975.2) 4925.53,977.88 4941.43,977.88 4986.79,1023.24 R95.1@4986.79,1025.2
  SIGNAL w10: 1654,1889.31 v2(1654,1972) 1654.18,1972 1673.18,1991 3560.98,1991 ; v2(2024.63,1045.9) 2024.63,1068.87
PMID: C99.2 C100.2 C101.2 C102.2 U27.29 | length 402.4
  HIGH_SPEED_TOP w7.87: C99.2@8508.03,2734.08 C101.2@8642.6,2734.08 8758.05,2734.08 8777.02,2715.12 U27.29@8777.02,2589.6
POWER: J17.2 Power.1 R70.2 | length 180.5
  HIGH_SPEED_TOP w10: Power.1@1573.16,-318.52 1591.09,-300.59 1609.86,-300.59 v1(1656.57,-253.87)
  HIGH_SPEED_BOT w10: R70.2@1592.07,-239.87 1639.72,-239.87 1653.72,-253.87 v1(1656.57,-253.87)
PP5V: C146.1 C147.1 C148.1 C153.2 IC16.1 IC16.3 L18.2 R154.2 U25.34 U25.35 | length 1273.6
  HIGH_SPEED_TOP w7.87: U25.35@9306.42,3835.1 9306.42,3834.5 9322.16,3834.5 U25.34@9322.16,3835.1
  HIGH_SPEED_TOP w10: R154.2@8096.94,1306.68 8132.45,1306.68 8160.45,1278.68 8160.45,1241.68 v1(8159.45,1240.68) 8219.46,1180.68 L18.2@8409.45,1180.68 8446.58,1143.54 8524.59,1143.54 8530.45,1137.68 C148.1@8530.45,1012.05 8530.29,1011.89 C147.1@8402.74,1011.89 8288.18,1011.89 C146.1@8268.45,992.17 ; v1(9490.45,1239.68) 9496.4,1239.68 9510.5,1253.79 9556.65,1253.79 9560.25,1257.38 IC16.1@9560.25,1348.67 9560.25,1391.48 9566.65,1397.89 9627.65,1397.89 9635.05,1390.48 IC16.3@9635.05,1348.67
PPHV: C92.2 C93.2 C94.2 C95.2 C96.2 C97.2 U25.20 U25.21 U25.22 U27.2 U27.3 U27.8 U27.9 | length 2507.6
  HIGH_SPEED_TOP w7.87: v1(8438.45,2553.68) 8507.63,2553.68 C95.2@8508.03,2554.08 C96.2@8575.31,2554.08 C97.2@8642.6,2554.08 8643.5,2553.18 U27.3@8737.65,2553.18 ; U27.8@8737.65,2474.44 8758.21,2474.44 ; U27.2@8737.65,2568.93 U27.3@8737.65,2553.18 ; U27.9@8756.84,2445.41 8756.84,2455.25 8758.21,2456.62 8758.21,2474.44 ; U25.21@9467.83,3734.71 U25.21@9467.71,3734.71 ; U25.22@9467.83,3752.43 9467.71,3752.43 U25.21@9467.71,3734.71 ; v1(9581.45,3417.68) 9581.45,3421.88 9599.02,3439.45 C92.2@9599.02,3522.76 C93.2@9599.02,3622.76 C94.2@9599.02,3722.76 9592.27,3716.01 U25.20@9467.83,3716.01 9467.71,3716.01 U25.21@9467.71,3734.71 ; U27.3@8737.65,2553.18 8757.95,2553.18 8767.45,2543.68 8767.45,2483.68 8758.21,2474.44
  SIGNAL w7.87: v1(8438.45,2553.68) 8438.45,2636.68 9222.45,3420.68 9578.45,3420.68 v1(9581.45,3417.68)
PRES: IC12.22 R129.2 | length 197.6
  HIGH_SPEED_TOP w7.87: IC12.22@9139.12,1912.25 9201.01,1912.25 9220.45,1931.68 9220.45,1964.68 9230.45,1974.68 9290.79,1974.68 R129.2@9291.32,1974.16
PROG: R112.2 U27.20 | length 306.3
  HIGH_SPEED_TOP w7.87: U27.20@8887.25,2521.69 8902.45,2521.69 8921.45,2540.68 9043.08,2540.68 9074.45,2509.31 9074.45,2413.19 R112.2@9072.95,2411.69
PRTPWR1: IC17.12 IC19.1 R162.1 R164.2
PRTPWR2: IC17.16 IC19.4
PRTPWR3: IC17.18 IC20.1
PRTPWR4: IC17.20 IC20.4
PWR1: BR2.1 C168.1 C169.1 FB1.1 IC18.6 IC18.8 IC19.8
PWR2: BR3.1 C172.1 C173.1 FB3.1 IC19.5